# Altium PCB pico-fmeter-AS65-2.PcbDoc (part 1 of 3)
Units mm, origin at the board's own origin, x right, y up, seen from the top; angles counter-clockwise.
Board outline 150 x 100 mm, 2 copper layers (TOP, BOT), stack 1.57 mm thick; 208 components, 131 nets, 707 pads, 307 vias.
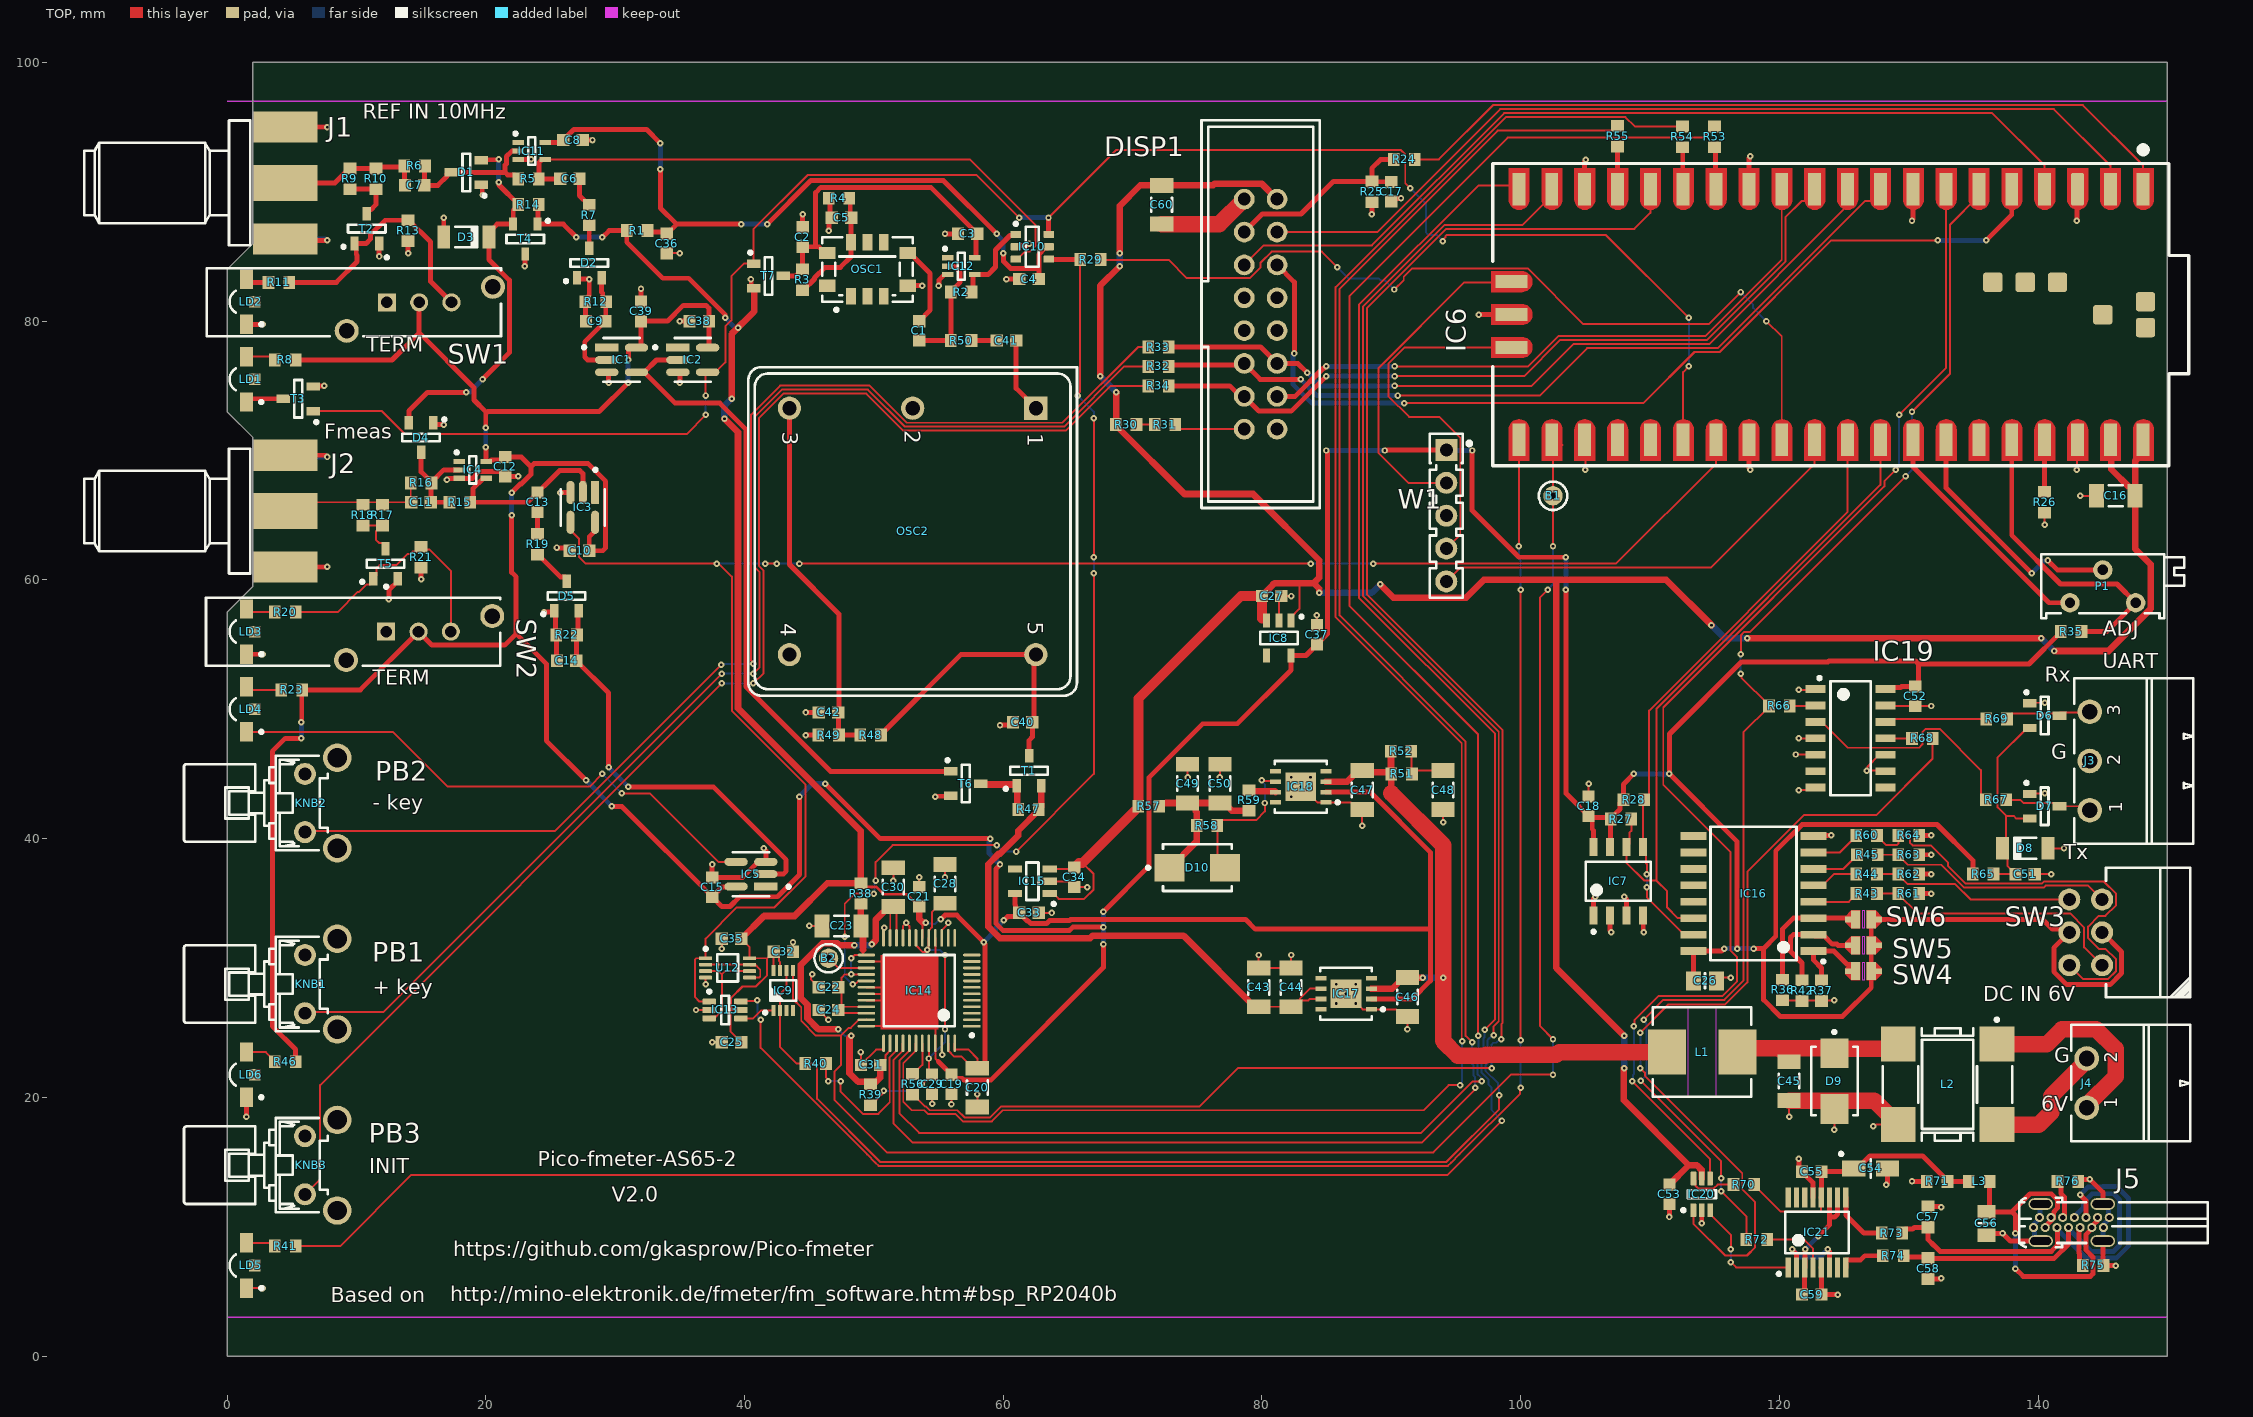
[diagram p0: TOP view]
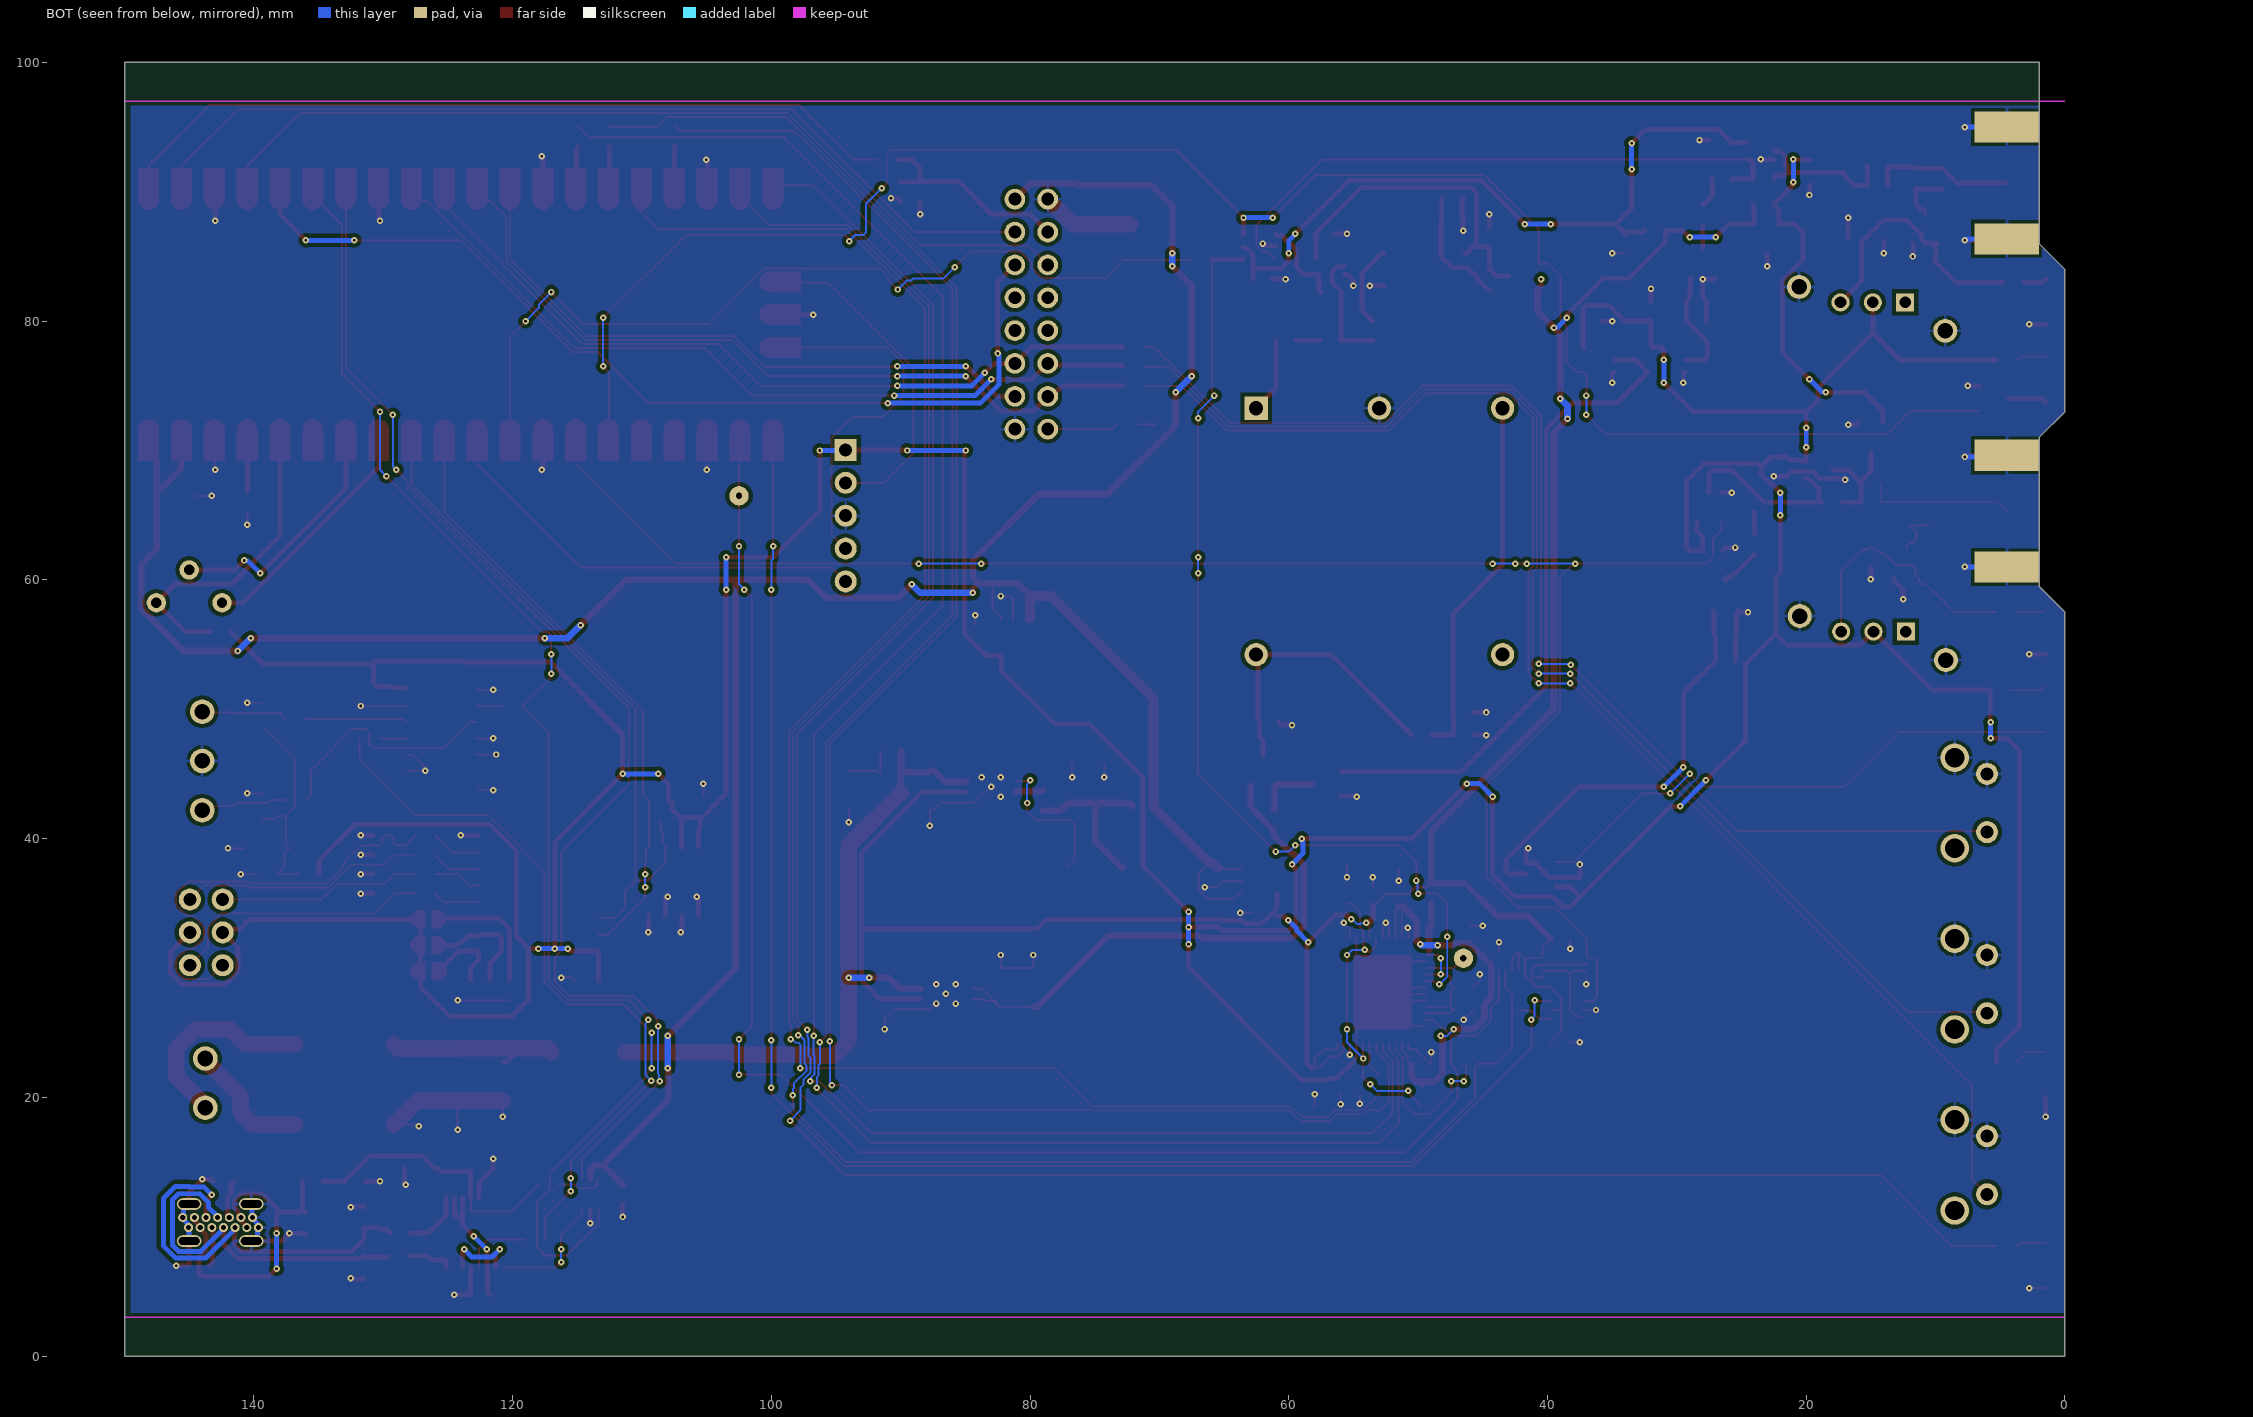
[diagram p1: BOT view, seen from below]
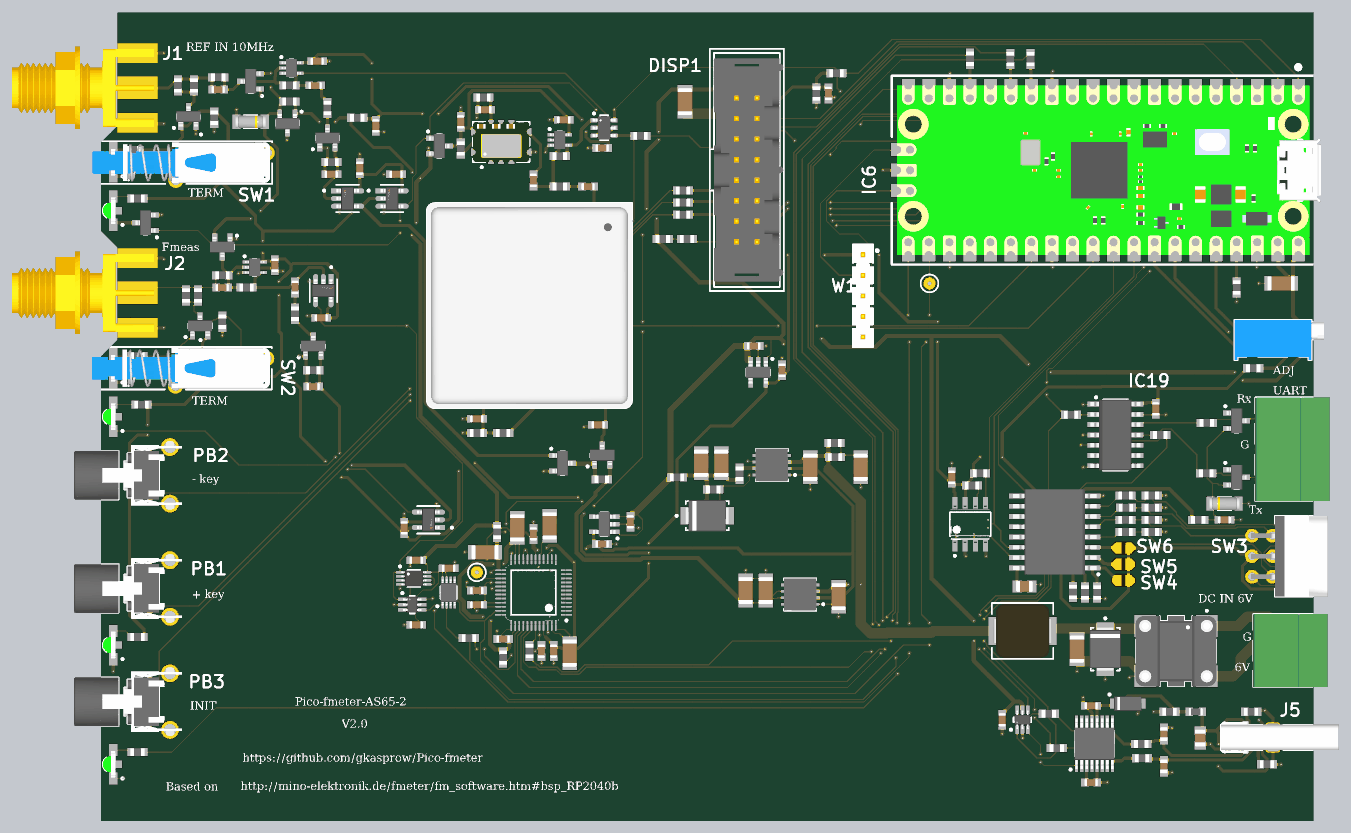
[diagram p4: 3D render of the assembled board from above, using the file's embedded part models]

## Layer stack, top to bottom
TopSolder: solder mask 0.01, Solder Resist, Dk 3.5
TOP: signal copper 0.035
Dielectric2: core 1.5, Core-042, Dk 4.6
BOT: signal copper 0.035
BottomSolder: solder mask 0.01, Solder Resist, Dk 3.5

## Board outline
0,55 0,57.5 2,59.5 2,71 0,73 0,84 2,86 2,100 150,100 150,0 0,0

## Design rules (kind name [scope] priority, off if disabled: settings)
AcuteAngle [All] p1: minimum=6.00000000000000E+0001 checktracksonly=FALSE
Clearance Clearance_poly [(InPolygon)] p1: gap=0.3 ignorepadtopadclearanceinfootprint=FALSE
Clearance [All] p2: gap=0.152 ignorepadtopadclearanceinfootprint=FALSE
DiffPairsRouting [All] p1: maxlimit=0.508 minlimit=0.381 mostfreqgap=0.432 toplayer_minwidth=0.381 toplayer_maxwidth=0.381 toplayer_prefwidth=0.381 bottomlayer_minwidth=0.381 bottomlayer_maxwidth=0.381 bottomlayer_prefwidth=0.381 maxuncoupledlength=12.7
HoleSize [All] p1: absolutevalues=TRUE maxlimit=5.08 minlimit=0.025 maxpercent=80.000 minpercent=20.000
MinimumSolderMaskSliver [All] p1: minsoldermaskwidth=0.05
MinimumSolderMaskSliver SilkscreenOverComponentPads [All] p2: minsoldermaskwidth=0.05
PlaneClearance [All] p1: clearance=0.203
PlaneConnect PlaneConnect_pad [(InPadClass('All Pads'))] p1: planeconnectstyle=Relief reliefexpansion=0.508 reliefentries=4 reliefconductorwidth=0.254 reliefairgap=0.254
PlaneConnect [All] p2: planeconnectstyle=Direct reliefexpansion=0.508 reliefentries=4 reliefconductorwidth=0.254 reliefairgap=0.254
PolygonConnect PolygonConnect_pad [(InPadClass('All Pads'))] p1: connectstyle=Relief reliefconductorwidth=0.254 reliefentries=4 polygonreliefangle="90 Angle" airgapwidth=0.254
PolygonConnect [All] p2: connectstyle=Direct reliefconductorwidth=0.254 reliefentries=4 polygonreliefangle="90 Angle" airgapwidth=0.254
RoutingVias [All] p1: holewidth=0.2 width=0.5 viastyle="Through Hole" minholewidth=0.2 minwidth=0.5 maxholewidth=0.5 maxwidth=1
SilkToSilkClearance [All] p1: silktosilkclearance=0.05
SilkToSolderMaskClearance [IsPad] p1: minsilkscreentomaskgap=0.05 clearancetoexposedcopper=TRUE
SolderMaskExpansion [All] p1: expansion=0.05 istentingtop=FALSE
ViasUnderSMD ViasUnderSMD_allow [InComponent('IC18') or InComponent('IC10') or InComponent('IC13') or InComponent('IC14') or InComponent('IC15')] p1: allowed=TRUE
ViasUnderSMD [All] p2: allowed=FALSE
Width Width_1 [(InDifferentialPairClass('All Differential Pairs'))] p1: maxlimit=0.203 minlimit=0.203 preferedwidth=0.203
Width [All] p2: maxlimit=2.54 minlimit=0.152 preferedwidth=0.254
23 further rules are at their usual default settings.

## Classes and differential pairs
component class U_USB_UART: C51 C52 C53 C54 C55 C56 C57 C58 C59 D6 D7 D8 IC19 IC20 IC21 J3 J5 L3 R65 R66 R67 R68 R69 R70 R71 R72 R73 R74 R75 R76
component class U_Pico_PSU: C27 C33 C34 C37 C43 C44 C45 C46 C47 C48 C49 C50 D9 D10 IC8 IC15 IC17 IC18 J4 L1 L2 LD6 R46 R51 R52 R57 R58 R59
component class U_Time_Base: C1 C2 C3 C4 C5 C6 C7 C8 C9 C36 C38 C39 C40 C41 C42 D1 D2 D3 IC1 IC2 IC10 IC11 IC12 LD1 LD2 OSC1 OSC2 R1 R2 R3 R4 R5 R6 R7 R8 R9 R10 R11 R12 R13 R14 R47 R48 R49 R50 SW1 T1 T2 T3 T4 T6 T7
component class U_F_IN_CKT: C10 C11 C12 C13 C14 C15 D4 D5 IC3 IC4 IC5 LD3 LD4 R15 R16 R17 R18 R19 R20 R21 R22 R23 SW2 T5
component class U_CPU_TDC: B1 B2 C16 C17 C18 C19 C20 C21 C22 C23 C24 C25 C26 C28 C29 C30 C31 C32 C35 C60 DISP1 IC6 IC7 IC9 IC13 IC14 IC16 KNB1 KNB2 KNB3 LD5 P1 PB1 PB2 PB3 R24 R25 R26 R27 R28 R29 R30 R31 R32 R33 R34 R35 R36 R37 R38 R39 R40 R41 R42 R43 R44 R45 R53 R54 R55 R56 R60 R61 R62 R63 R64 SW3 SW4 SW5 SW6 U12 W1
component class pico-fmeter-AS65-2: J1 J2

## Components (designator, comment, footprint, x,y, rotation, side; value= is the part's Value field where it differs from the comment)
B1 "Plated Hole" c150h50 102.5,66.5 r180 top
B2 "Plated Hole" c150h50 46.5,30.75 r180 top
C1 "1nF" CAPC1608X90N 53.5,79.25 r270 top
C2 "100nF" CAPC1608X90N 44.5,86.5 r270 top
C3 "100nF" CAPC1608X90N 57.25,86.75 r0 top
C4 "100nF" CAPC1608X90N 62,83.25 r0 top
C5 "100nF" CAPC1608X90N 47.5,88 r0 top
C6 "1nF" CAPC1608X90N 26.5,91 r0 top
C7 "1nF" CAPC1608X90N 14.5,90.5 r0 top
C8 "100nF" CAPC1608X90N 26.75,94 r180 top
C9 "1nF" CAPC1608X90N 28.5,80 r0 top
C10 "100nF" CAPC1608X90N 27.25,62.25 r0 top
C11 "1nF" CAPC1608X90N 15,66 r0 top
C12 "100nF" CAPC1608X90N 21.5,68.75 r90 top
C13 "1nF" CAPC1608X90N 24,66 r270 top
C14 "1nF" CAPC1608X90N 26.25,53.75 r0 top
C15 "100nF" CAPC1608X90N 37.5,36.25 r270 top
C16 "22uF" CAPC3216X180N 146,66.5 r0 top
C17 "100nF" CAPC1608X90N 90,90 r90 top
C18 "100nF" CAPC1608X90N 105.25,42.5 r270 top
C19 "100nF" CAPC1608X90N 56,21 r90 top
C20 "22uF" CAPC3216X180N 58,20.75 r90 top
C21 "100nF" CAPC1608X90N 53.5,35.5 r270 top
C22 "100nF" CAPC1608X90N 46.5,28.5 r0 top
C23 "22uF" CAPC3216X180N 47.5,33.25 r0 top
C24 "100nF" CAPC1608X90N 46.5,26.75 r0 top
C25 "100nF" CAPC1608X90N 39,24.25 r0 top
C26 "100nF" CAPC2012X88N 114.25,29 r180 top
C27 "2.2uF" CAPC1608X90N 80.75,58.75 r180 top
C28 "22uF" CAPC3216X180N 55.5,36.5 r270 top
C29 "100nF" CAPC1608X90N 54.5,21 r90 top
C30 "22uF" CAPC3216X180N 51.5,36.25 r270 top
C31 "100nF" CAPC1608X90N 49.75,22.5 r0 top
C32 "100nF" CAPC1608X90N 43,31.25 r180 top
C33 "2.2uF" CAPC1608X90N 61.994,34.258 r180 top
C34 "2.2uF" CAPC1608X90N 65.494,37.008 r90 top
C35 "100nF" CAPC1608X90N 39,32.25 r0 top
C36 "2.2uF" CAPC1608X90N 34,86 r90 top
C37 "2.2uF" CAPC1608X90N 84.25,55.75 r270 top
C38 "100nF" CAPC1608X90N 36.5,80 r0 top
C39 "100nF" CAPC1608X90N 32,80.75 r270 top
C40 "2.2uF" CAPC1608X90N 61.5,49 r0 top
C41 "1nF" CAPC1608X90N 60.25,78.5 r180 top
C42 "100nF" CAPC1608X90N 46.5,49.75 r0 top
C43 "22uF" CAPC3216X180N 79.75,28.5 r270 top
C44 "22uF" CAPC3216X180N 82.25,28.5 r270 top
C45 "22uF" CAPC3216X180N 120.75,21.25 r90 top
C46 "22uF" CAPC3216X180N 91.25,27.75 r90 top
C47 "22uF" CAPC3216X180N 87.75,43.75 r90 top
C48 "22uF" CAPC3216X180N 94,43.75 r90 top
C49 "22uF" CAPC3216X180N 74.25,44.25 r270 top
C50 "22uF" CAPC3216X180N 76.75,44.25 r270 top
C51 "2.2uF" CAPC1608X90N 139,37.25 r180 top
C52 "100nF" CAPC1608X90N 130.5,51 r90 top
C53 "100nF" CAPC1608X90N 111.5,12.5 r90 top
C54 "4.7uF" CAPMP3216X180N 127.05,14.5 r0 top
C55 "100nF" CAPC1608X90N 122.5,14.25 r0 top
C56 "10nF" CAPC2012X135N 136,10.25 r90 top
C57 "47pF" CAPC1608X87N 131.5,10.75 r90 top
C58 "47pF" CAPC1608X87N 131.5,6.75 r270 top
C59 "100nF" CAPC1608X90N 122.5,4.75 r180 top
C60 "22uF" CAPC3216X180N 72.25,89 r90 top
D1 "BAV99" SOT95P240X110-3N 18.5,91.5 r180 top
D2 "BAV99" SOT95P240X110-3N 28,84.5 r90 top
D3 "BZV55-B3V3" DIOMELF3515N 18.5,86.5 r180 top
D4 "BAV99" SOT95P240X110-3N 15,71 r270 top
D5 "BAV99" SOT95P240X110-3N 26.25,58.75 r90 top
D6 "BAV99" SOT95P240X110-3N 140.5,49.5 r0 top
D7 "BAV99" SOT95P240X110-3N 140.5,42.5 r0 top
D8 "BZV55-B3V3" DIOMELF3515N 139,39.25 r0 top
D9 "SMBJ5V0A" DIOM5336X265N 124.25,21.25 r270 top
D10 "SS26" DIOM5336X265N 75,37.75 r0 top
DISP1 "LCD_HD44780_LED" IDC_16_male 79.902,80.537 r270 top
IC1 "SN74AUP1G14DBVR" FP-DBV0005A-IPC_A 30.5,77 r0 top
IC2 "SN74AUP1G14DBVR" FP-DBV0005A-IPC_A 36,77 r0 top
IC3 "SN74AUP1G14DBVR" FP-DBV0005A-IPC_A 27.5,65.6 r270 top
IC4 "74LVC1GU04GW" SOT65P212X110-5N 19,68.5 r0 top
IC5 "SN74AUP1G14DBVR" FP-DBV0005A-IPC_A 40.5,37.25 r180 top
IC6 "RPI-PICO-MOD" RPI-PICO-MOD 123.708,80.51 r270 top locked
IC7 "M24C02-WMN6TP" FP-SO8N-SO-A-MFG 107.542,36.696 r90 top
IC8 "RT9080-33GJ5" SOT95P280X100-5N 81.308,55.506 r270 top
IC9 "SN74AUP1G74DCUR" SOP50P310X90-8N 43,28.25 r90 top
IC10 "SN74AUP1G97DBVR" DBV0006A_L 62.25,85.75 r0 top
IC11 "74LVC1GU04GW" SOT65P212X110-5N 23.55,93.15 r0 top
IC12 "74LVC1GU04GW" SOT65P212X110-5N 56.75,84.25 r0 top
IC13 "SN74AUP1G97DCKR" DCK0006A_M 38.5,26.75 r0 top
IC14 "AS6501-FLQM" FP-AS6501-FLQM-IPC_C 53.5,28.25 r180 top
IC15 "RT9080-33GJ5" SOT95P280X100-5N 62.25,36.7 r180 top
IC16 "PCF8574DW" SOIC127P1030X265-16N 118,35.75 r180 top
IC17 "NCP59151MN50TYG" SON80P400X400X100-9N-R221X239 86.5,28 r180 top
IC18 "NCP59151MN50TYG" SON80P400X400X100-9N-R221X239 83,44 r180 top
IC19 "SN74HC125D" SOIC127P600X175-14N 125.5,47.75 r0 top
IC20 "SN74AUP1G97DCKR" DCK0006A_M 114,12.5 r90 top
IC21 "FT230XS-R" SOP63P600X175-16N 122.912,9.55 r90 top
J1 "SMA" JOHNSON_142-0701-871 4.5,90.683 r0 top locked
J2 "SMA" JOHNSON_142-0701-871 4.5,65.317 r0 top locked
J3 "" PHOENIX_1803280 144,46 r90 top
J4 "" PHOENIX_1803277 143.75,21.095 r90 top
J5 "USB 2.0" KYCON_KUSBX-SL-CS1N14-B 142.8,10.32 r90 top
KNB1 "Knob" KNB_OMRON_B32-2010_H 6.5,28.75 r270 top locked
KNB2 "Knob" KNB_OMRON_B32-2010_H 6.5,42.75 r270 top locked
KNB3 "Knob" KNB_OMRON_B32-2010_H 6.5,14.75 r270 top locked
L1 "47uH" IND_WURTH_WE-LHMI_7050 114.025,23.5 r180 top
L2 "1mH" IND_BOURNS_SRF1006 133,21 r180 top
L3 "330R@100MHz" INDC1608X75N 135.45,13.5 r0 top
LD1 "Green" LED_AVAGO_HSME-C110 1.5,75.5 r90 top locked
LD2 "Green" LED_AVAGO_HSME-C110 1.5,81.5 r90 top locked
LD3 "Green" LED_AVAGO_HSME-C110 1.5,56 r90 top locked
LD4 "Green" LED_AVAGO_HSME-C110 1.5,50 r90 top locked
LD5 "Green" LED_AVAGO_HSME-C110 1.5,7 r90 top locked
LD6 "Green" LED_AVAGO_HSME-C110 1.5,21.75 r90 top locked
OSC1 "10MHz" OSC_CONNOR-WINFIELD_D75 49.5,84 r90 top
OSC2 "10MHZ" OSC_CONNOR-WINFIELD_OH100 53,63.75 r270 top
P1 "2k" TRIM_BOURNS_3296Z 145,59.5 r0 top locked
PB1 "Push Button" PB_OMRON_B3F-3150 7,28.75 r270 top
PB2 "Push Button" PB_OMRON_B3F-3150 7,42.75 r270 top
PB3 "Push Button" PB_OMRON_B3F-3150 7,14.75 r270 top
R1 "10" RESC1608X55N 31.7,87 r180 top
R2 "10k" RESC1608X55N 56.75,82.25 r0 top
R3 "10k" RESC1608X55N 44.5,83.2 r90 top
R4 "10k" RESC1608X55N 47.3,89.5 r0 top
R5 "10k" RESC1608X55N 23.3,91 r0 top
R6 "10k" RESC1608X55N 14.5,92 r0 top
R7 "330" RESC1608X55N 28,88.2 r270 top
R8 "470" RESC1608X55N 4.5,77 r0 top
R9 "100" RESC1608X55N 9.5,91 r90 top
R10 "100" RESC1608X55N 11.5,91 r90 top
R11 "470" RESC1608X55N 4,83 r0 top
R12 "1M" RESC1608X55N 28.5,81.5 r0 top
R13 "10k" RESC1608X55N 14,87 r90 top
R14 "3k3" RESC1608X55N 23.3,89 r180 top
R15 "2M2" RESC1608X55N 18,66 r0 top
R16 "10k" RESC1608X55N 15,67.5 r0 top
R17 "100" RESC1608X55N 12,65 r90 top